# KiCad board A_BUS_Ctrl.kicad_pcb (continued)
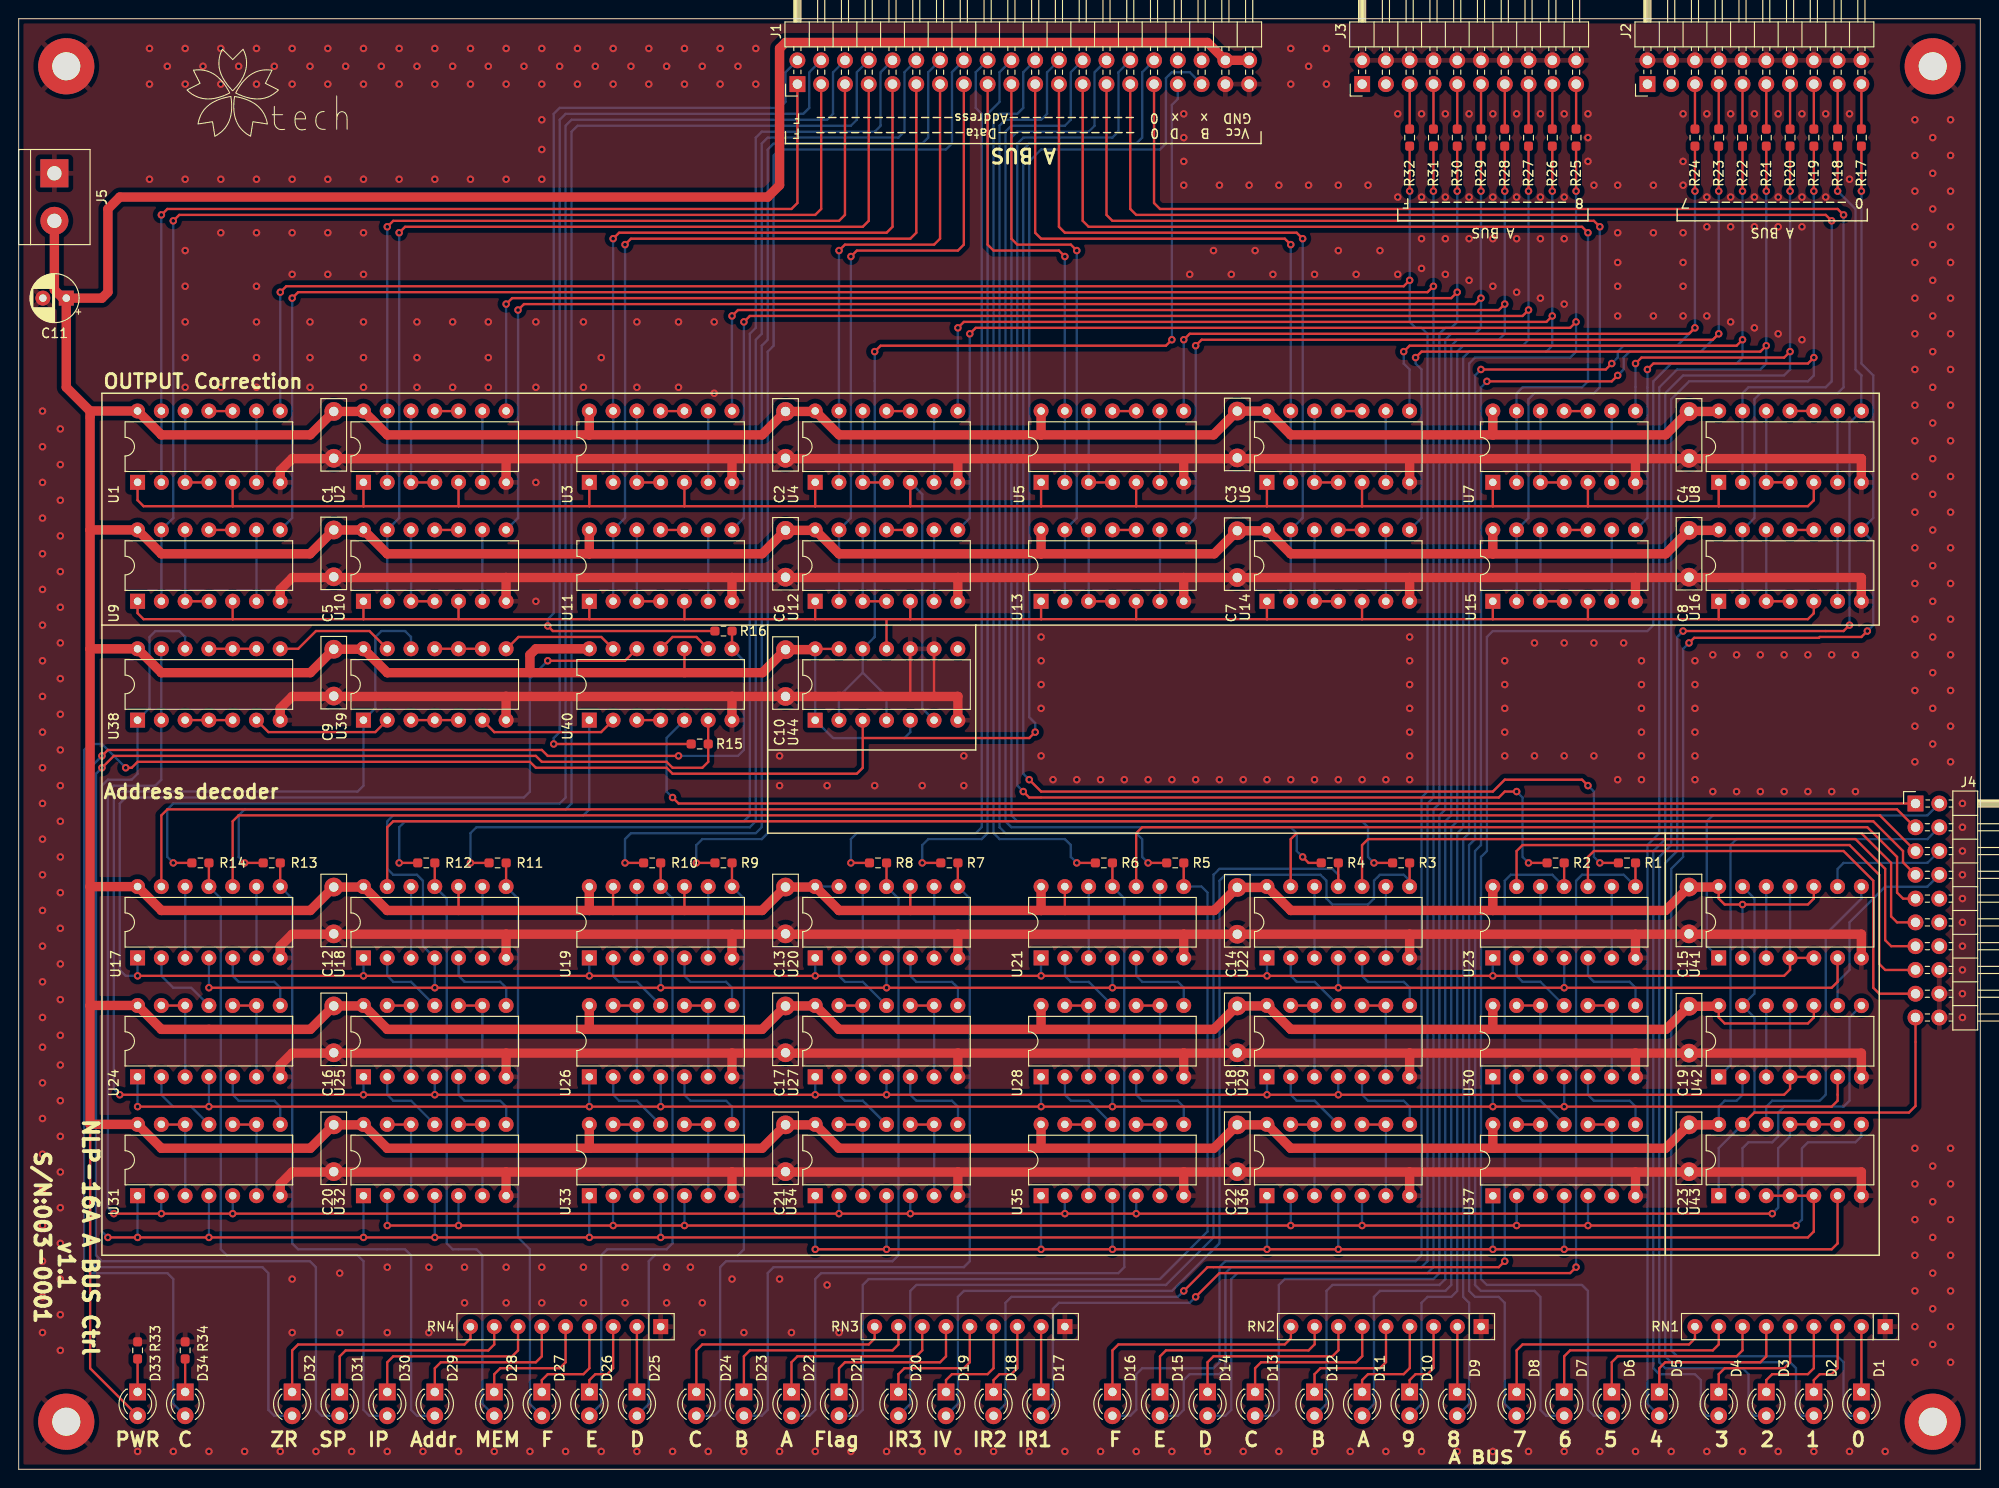
[diagram p0: board, top side]
## Nets (continued)
Net-(U27-Pad5): U27.5 U34.8
Net-(U27-Pad10): U27.6 U27.9 U27.10
Net-(U27-Pad12): U27.3 U27.12 U27.13
Net-(U28-Pad2): U28.2 U35.11
Net-(U28-Pad5): U28.5 U35.8
Net-(U28-Pad10): U28.6 U28.9 U28.10
Net-(U28-Pad12): U28.3 U28.12 U28.13
Net-(U29-Pad2): U29.2 U36.11
Net-(U29-Pad5): U29.5 U36.8
Net-(U29-Pad10): U29.6 U29.9 U29.10
Net-(U29-Pad12): U29.3 U29.12 U29.13
Net-(U30-Pad2): U30.2 U37.11
Net-(U30-Pad5): U30.5 U37.8
Net-(U30-Pad10): U30.6 U30.9 U30.10
Net-(U30-Pad12): U30.3 U30.12 U30.13
Net-(U31-Pad10): U31.6 U31.9 U31.10
Net-(U31-Pad12): U31.3 U31.12 U31.13
Net-(U32-Pad10): U32.6 U32.9 U32.10
Net-(U32-Pad12): U32.3 U32.12 U32.13
Net-(U33-Pad10): U33.6 U33.9 U33.10
Net-(U33-Pad12): U33.3 U33.12 U33.13
Net-(U34-Pad10): U34.6 U34.9 U34.10
Net-(U34-Pad12): U34.3 U34.12 U34.13
Net-(U35-Pad10): U35.6 U35.9 U35.10
Net-(U35-Pad12): U35.3 U35.12 U35.13
Net-(U36-Pad10): U36.6 U36.9 U36.10
Net-(U36-Pad12): U36.3 U36.12 U36.13
Net-(U37-Pad10): U37.6 U37.9 U37.10
Net-(U37-Pad12): U37.3 U37.12 U37.13
Net-(U38-Pad3): U38.3 U38.4 U38.5
Net-(U38-Pad6): U38.6 U39.2
Net-(U38-Pad8): U38.8 U39.13
Net-(U38-Pad10): U38.9 U38.10 U38.11
Net-(U39-Pad3): U39.3 U39.4 U39.5
Net-(U39-Pad6): U39.6 U40.2
Net-(U39-Pad8): U39.8 U40.13
Net-(U39-Pad10): U39.9 U39.10 U39.11
Net-(U40-Pad3): U40.3 U40.4
Net-(U40-Pad11): U40.9 U40.11
Net-(U41-Pad8): U41.8 U43.12
Net-(U41-Pad12): U41.3 U41.12
Net-(U42-Pad8): U42.8 U43.2
Net-(U42-Pad12): U42.3 U42.12

Pads without a net: J1 34 36; J2 1 3; J3 1 3; J4 10 12 14; U44 8

## Via types
v1: diameter 0.8, hole 0.4, Top to Bottom, 665 vias

## Routing (per net, layer and track width the routed paths; a pad name or vN(x,y) marks a point on that pad's centre or on a via; arc(x,y) is an arc through that point)
GND: length 1034.1
  Top w0.25: 95.25,82.55 95.24,82.55 U44.10 ; 97.79,82.55 97.79,82.55 U44.9
  Top w1: U11.7 76.2,95.25 76.2,95.25 ; U6.7 148.58,107.94 148.59,107.95 ; U25.7 52.07,41.93 52.07,44.45 ; 124.46,44.45 148.59,44.45 ; 124.46,44.45 124.45,44.44 U28.7 ; 124.46,44.45 100.33,44.45 ; 148.59,44.45 148.58,44.44 U29.7 ; 148.59,44.45 172.72,44.45 ; 76.2,82.55 100.33,82.55 100.33,82.55 U44.7 ; 76.2,82.55 52.07,82.55 ; 76.2,82.55 76.2,82.55 U40.7 ; U30.7 172.71,44.44 172.72,44.45 ; 100.33,107.95 100.33,107.94 U4.7 ; 100.33,107.95 76.2,107.95 ; 100.33,107.95 124.46,107.95 ; 52.07,107.95 29.21,107.95 27.94,106.67 U1.7 ; 52.07,107.95 76.2,107.95 ; 52.07,107.95 52.06,107.94 U2.7 ; U15.7 172.71,95.25 172.72,95.25 ; 172.72,57.15 172.71,57.15 U23.7 ; 172.72,57.15 196.85,57.15 196.85,57.15 U41.7 ; 172.72,57.15 148.59,57.15 ; 76.2,31.75 100.33,31.75 ; 76.2,31.75 76.2,31.75 U33.7 ; 76.2,31.75 52.07,31.75 ; 100.33,31.75 124.46,31.75 ; 100.33,31.75 100.33,31.75 U34.7 ; 124.46,31.75 148.59,31.75 ; 124.46,31.75 124.45,31.75 U35.7 ; 76.2,95.25 100.33,95.25 ; 76.2,95.25 52.07,95.25 ; 100.33,95.25 124.46,95.25 ; 100.33,95.25 100.33,95.25 U12.7 ; 52.07,95.25 29.21,95.25 27.94,93.97 U9.7 ; 52.07,95.25 52.06,95.25 U10.7 ; 172.72,44.45 196.85,44.45 U42.7 ; U43.7 196.85,31.75 196.85,31.75 172.72,31.75 ; U39.7 52.06,82.55 52.07,82.55 ; 52.07,57.15 76.2,57.15 ; 52.07,57.15 52.06,57.15 U18.7 ; 52.07,57.15 29.21,57.15 27.94,55.88 U17.7 ; 76.2,57.15 100.33,57.15 ; 76.2,57.15 76.2,57.15 U19.7 ; 172.72,31.75 U37.7 ; 172.72,31.75 148.59,31.75 ; 52.07,82.55 29.21,82.55 27.94,81.27 U38.7 ; 172.72,95.25 196.85,95.25 196.85,95.25 U16.7 ; 172.72,95.25 148.59,95.25 ; 124.46,107.95 124.45,107.94 U5.7 ; 124.46,107.95 148.59,107.95 ; 76.2,107.95 76.2,107.94 U3.7 ; 52.07,44.45 29.21,44.45 27.94,43.18 U24.7 ; 52.07,44.45 76.2,44.45 ; 148.59,31.75 148.58,31.75 U36.7 ; U14.7 148.58,95.25 148.59,95.25 ; 148.59,107.95 172.72,107.95 ; U20.7 100.33,57.15 100.33,57.15 ; U8.7 196.85,107.94 196.85,107.95 172.72,107.95 ; 100.33,57.15 124.46,57.15 ; 124.46,95.25 148.59,95.25 ; 124.46,95.25 124.45,95.25 U13.7 ; 124.46,57.15 124.45,57.15 U21.7 ; 124.46,57.15 148.59,57.15 ; 100.33,44.45 100.33,44.44 U27.7 ; 100.33,44.45 76.2,44.45 ; 172.72,107.95 172.71,107.94 U7.7 ; 52.07,31.75 29.21,31.75 27.94,30.47 U31.7 ; 52.07,31.75 52.06,31.75 U32.7 ; 76.2,44.45 76.2,44.44 U26.7 ; U22.7 148.58,57.15 148.59,57.15
  vias: v1(2.54,113.03) v1(2.54,109.22) v1(2.54,105.41) v1(2.54,101.6) v1(2.54,97.79) v1(2.54,93.98) v1(2.54,90.17) v1(2.54,86.36) v1(2.54,82.55) v1(2.54,78.74) v1(2.54,74.93) v1(2.54,71.12) v1(2.54,67.31) v1(2.54,63.5) v1(2.54,59.69) v1(2.54,55.88) v1(2.54,52.07) v1(2.54,48.26) v1(2.54,45.09) v1(2.54,41.28) v1(2.54,37.47) v1(2.54,33.66) v1(2.54,29.84) v1(2.54,26.03) v1(2.54,22.22) v1(2.54,18.41) v1(2.54,14.6) v1(4.45,111.12) v1(4.45,107.31) v1(4.45,103.5) v1(4.45,99.69) v1(4.45,95.88) v1(4.45,92.08) v1(4.45,88.27) v1(4.45,84.45) v1(4.45,80.64) v1(4.45,76.83) v1(4.45,73.02) v1(4.45,69.22) v1(4.45,65.41) v1(4.45,61.59) v1(4.45,57.78) v1(4.45,53.97) v1(4.45,50.16) v1(4.45,46.35) v1(4.45,43.18) v1(4.45,39.37) v1(4.45,35.56) v1(4.45,31.75) v1(4.45,27.94) v1(4.45,24.13) v1(4.45,20.32) v1(4.45,16.51) v1(4.45,12.7) v1(12.7,1.91) v1(13.97,151.76) v1(13.97,147.95) v1(13.97,137.79) v1(15.88,149.86) v1(16.51,1.91) v1(17.78,151.76) v1(17.78,147.95) v1(17.78,137.79) v1(17.78,130.18) v1(17.78,126.36) v1(17.78,122.55) v1(17.78,118.75) v1(17.78,115.57) v1(19.69,149.86) v1(20.32,1.91) v1(21.59,151.76) v1(21.59,147.95) v1(21.59,137.79) v1(21.59,132.08) v1(21.59,115.57) v1(23.49,149.86) v1(24.13,1.91) v1(25.4,151.76) v1(25.4,147.95) v1(25.4,137.79) v1(25.4,132.08) v1(25.4,126.36) v1(25.4,122.55) v1(25.4,118.75) v1(25.4,115.57) v1(27.31,149.86) v1(27.94,1.91) v1(29.21,151.76) v1(29.21,147.95) v1(29.21,137.79) v1(29.21,132.08) v1(29.21,127.63) v1(29.21,20.31) v1(29.21,14.6) v1(31.11,149.86) v1(31.11,122.55) v1(31.11,118.75) v1(31.11,115.57) v1(31.75,1.91) v1(33.02,151.76) v1(33.02,147.95) v1(33.02,137.79) v1(33.02,132.08) v1(33.02,127.63) v1(34.29,20.95) v1(34.29,14.6) v1(34.92,149.86) v1(35.56,1.91) v1(36.83,151.76) v1(36.83,147.95) v1(36.83,137.79) v1(36.83,132.08) v1(36.83,127.63) v1(36.83,122.55) v1(36.83,118.75) v1(36.83,115.57) v1(38.73,149.86) v1(39.37,21.59) v1(39.37,14.6) v1(39.37,1.91) v1(40.64,151.76) v1(40.64,147.95) v1(40.64,137.79) v1(42.55,149.86) v1(42.55,122.55) v1(42.55,118.75) v1(42.55,115.57) v1(43.18,1.91) v1(43.81,21.59) v1(43.81,14.6) v1(44.45,151.76) v1(44.45,147.95) v1(44.45,137.79) v1(46.36,149.86) v1(46.36,122.55) v1(46.36,115.57) v1(46.99,1.91) v1(47.62,21.59) v1(47.62,17.78) v1(48.26,151.76) v1(48.26,147.95) v1(48.26,137.79) v1(50.17,149.86) v1(50.17,122.55) v1(50.17,118.75) v1(50.17,115.57) v1(50.8,1.91) v1(52.07,151.76) v1(52.07,147.95) v1(52.07,137.79) v1(52.07,21.59) v1(52.07,17.78) v1(53.97,149.86) v1(54.61,1.91) v1(55.25,122.55) v1(55.25,115.57) v1(55.25,105.41) v1(55.25,92.71) v1(55.88,151.76) v1(55.88,147.95) v1(55.88,144.14) v1(55.88,140.97) v1(55.88,137.79) v1(55.88,21.59) v1(55.88,17.78) v1(57.78,149.86) v1(58.42,1.91) v1(59.69,151.76) v1(59.69,147.95) v1(60.33,122.55) v1(60.33,115.57) v1(60.33,21.59) v1(60.33,17.78) v1(61.59,149.86) v1(62.23,118.75) v1(62.23,1.91) v1(63.5,151.76) v1(63.5,147.95) v1(64.77,21.59) v1(64.77,17.78) v1(65.41,149.86) v1(66.04,122.55) v1(66.04,115.57) v1(66.04,1.91) v1(67.31,151.76) v1(67.31,147.95) v1(69.22,149.86) v1(69.22,21.59) v1(69.22,17.78) v1(69.85,1.91) v1(70.48,122.55) v1(70.48,115.57) v1(71.12,151.76) v1(71.12,147.95) v1(71.75,21.59) v1(73.03,149.86) v1(73.03,17.78) v1(73.03,14.6) v1(73.66,1.91) v1(74.3,122.55) v1(74.3,114.94) v1(74.93,151.76) v1(74.93,147.95) v1(76.2,20.32) v1(76.83,149.86) v1(77.47,14.6) v1(77.47,1.91) v1(78.74,151.76) v1(78.74,147.95) v1(81.28,76.2) v1(81.28,73.02) v1(81.28,20.32) v1(81.28,1.91) v1(82.55,14.6) v1(85.09,1.91) v1(86.36,73.02) v1(86.36,19.69) v1(87.63,14.6) v1(88.9,1.91) v1(91.44,73.02) v1(92.71,1.91) v1(96.52,73.02) v1(96.52,1.91) v1(100.33,1.91) v1(100.96,76.2) v1(100.96,73.02) v1(104.14,1.91) v1(107.95,1.91) v1(109.22,88.9) v1(109.22,86.36) v1(109.22,83.82) v1(109.22,81.28) v1(109.22,76.2) v1(110.49,73.66) v1(111.76,1.91) v1(113.03,73.66) v1(115.57,73.66) v1(115.57,1.91) v1(118.11,73.66) v1(119.38,1.91) v1(120.65,73.66) v1(123.19,73.66) v1(123.19,1.91) v1(124.46,144.78) v1(124.46,142.24) v1(124.46,139.7) v1(124.46,137.16) v1(125.1,127.63) v1(125.73,73.66) v1(127,1.91) v1(127.64,130.18) v1(128.27,137.16) v1(128.27,73.66) v1(129.54,127.63) v1(130.81,73.66) v1(130.81,1.91) v1(131.44,137.16) v1(132.08,130.18) v1(133.35,73.66) v1(133.99,127.63) v1(134.62,137.16) v1(134.62,1.91) v1(135.89,151.76) v1(135.89,147.95) v1(135.89,73.66) v1(137.8,149.86) v1(137.8,137.16) v1(138.43,127.63) v1(138.43,73.66) v1(138.43,1.91) v1(139.7,151.76) v1(139.7,147.95) v1(140.97,137.16) v1(140.97,130.18) v1(140.97,73.66) v1(142.24,1.91) v1(142.88,127.63) v1(143.51,73.66) v1(144.14,137.16) v1(145.42,130.18) v1(146.05,73.66) v1(146.05,1.91) v1(147.32,144.78) v1(147.32,135.89) v1(147.32,127.63) v1(148.59,88.9) v1(148.59,86.36) v1(148.59,83.82) v1(148.59,81.28) v1(148.59,78.74) v1(148.59,76.2) v1(148.59,73.66) v1(149.86,144.78) v1(149.86,135.89) v1(149.86,131.44) v1(149.86,128.27) v1(149.86,1.91) v1(152.4,144.78) v1(152.4,135.89) v1(152.4,131.44) v1(152.4,127.63) v1(153.67,1.91) v1(154.94,144.78) v1(154.94,135.89) v1(154.94,131.44) v1(154.94,127) v1(157.48,144.78) v1(157.48,135.89) v1(157.48,131.44) v1(157.48,126.36) v1(157.48,1.91) v1(158.75,86.36) v1(158.75,83.82) v1(158.75,81.28) v1(158.75,78.74) v1(158.75,76.2) v1(160.02,144.78) v1(160.02,135.89) v1(160.02,131.44) v1(160.02,125.73) v1(161.29,1.91) v1(161.93,88.27) v1(161.93,76.2) v1(162.56,144.78) v1(162.56,135.89) v1(162.56,131.44) v1(162.56,125.09) v1(165.1,144.78) v1(165.1,135.89) v1(165.1,131.44) v1(165.1,124.46) v1(165.1,88.27) v1(165.1,76.2) v1(165.1,1.91) v1(167.64,144.78) v1(167.64,142.24) v1(167.64,139.7) v1(168.27,137.16) v1(168.27,88.27) v1(168.27,76.2) v1(168.91,1.91) v1(170.81,137.16) v1(170.81,132.08) v1(170.81,128.91) v1(170.81,126.36) v1(170.81,123.19) v1(170.81,73.66) v1(171.45,88.27) v1(172.72,1.91) v1(173.36,86.36) v1(173.36,83.82) v1(173.36,81.28) v1(173.36,78.74) v1(173.36,76.2) v1(173.36,73.66) v1(174.62,137.16) v1(174.62,132.08) v1(174.62,123.19) v1(176.53,1.91) v1(177.8,144.78) v1(177.8,139.7) v1(177.8,137.16) v1(177.8,132.08) v1(177.8,128.91) v1(177.8,126.36) v1(177.8,123.19) v1(179.07,86.36) v1(179.07,83.82) v1(179.07,81.28) v1(179.07,78.74) v1(179.07,76.2) v1(179.07,73.66) v1(180.34,144.78) v1(180.34,135.89) v1(180.34,132.72) v1(180.34,123.19) v1(180.34,1.91) v1(180.98,87) v1(180.98,72.39) v1(182.88,144.78) v1(182.88,135.89) v1(182.88,132.72) v1(182.88,122.55) v1(183.51,87) v1(183.51,72.39) v1(184.15,1.91) v1(185.42,144.78) v1(185.42,135.89) v1(185.42,132.72) v1(185.42,121.92) v1(186.06,87) v1(186.06,72.39) v1(187.96,144.78) v1(187.96,135.89) v1(187.96,132.72) v1(187.96,121.28) v1(187.96,1.91) v1(188.6,87) v1(188.6,72.39) v1(190.5,144.78) v1(190.5,135.89) v1(190.5,132.72) v1(190.5,120.65) v1(191.13,87) v1(191.13,72.39) v1(191.77,1.91) v1(193.04,144.78) v1(193.04,135.89) v1(193.68,87) v1(193.68,72.39) v1(195.58,144.78) v1(195.58,137.79) v1(195.58,1.91) v1(196.21,87) v1(196.21,72.39) v1(199.39,1.91) v1(202.56,144.14) v1(202.56,140.34) v1(202.56,136.53) v1(202.56,132.72) v1(202.56,128.91) v1(202.56,125.09) v1(202.56,121.28) v1(202.56,117.47) v1(202.56,113.66) v1(202.56,109.86) v1(202.56,106.05) v1(202.56,102.23) v1(202.56,98.42) v1(202.56,94.61) v1(202.56,90.8) v1(202.56,87) v1(202.56,83.19) v1(202.56,79.38) v1(202.56,75.56) v1(202.56,34.29) v1(202.56,30.48) v1(202.56,26.67) v1(202.56,22.86) v1(202.56,19.05) v1(202.56,15.24) v1(202.56,11.43) v1(204.47,142.24) v1(204.47,138.43) v1(204.47,134.62) v1(204.47,130.81) v1(204.47,127) v1(204.47,123.19) v1(204.47,119.38) v1(204.47,115.57) v1(204.47,111.76) v1(204.47,107.95) v1(204.47,104.14) v1(204.47,100.33) v1(204.47,96.52) v1(204.47,92.71) v1(204.47,88.9) v1(204.47,85.09) v1(204.47,81.28) v1(204.47,77.47) v1(204.47,32.38) v1(204.47,28.57) v1(204.47,24.76) v1(204.47,20.95) v1(204.47,17.15) v1(204.47,13.34) v1(206.38,144.14) v1(206.38,140.34) v1(206.38,136.53) v1(206.38,132.72) v1(206.38,128.91) v1(206.38,125.09) v1(206.38,121.28) v1(206.38,117.47) v1(206.38,113.66) v1(206.38,109.86) v1(206.38,106.05) v1(206.38,102.23) v1(206.38,98.42) v1(206.38,94.61) v1(206.38,90.8) v1(206.38,87) v1(206.38,83.19) v1(206.38,79.38) v1(206.38,75.56) v1(206.38,34.29) v1(206.38,30.48) v1(206.38,26.67) v1(206.38,22.86) v1(206.38,19.05) v1(206.38,15.24) v1(206.38,11.43) v1(207.64,71.12) v1(207.64,68.58) v1(207.64,66.04) v1(207.64,63.5) v1(207.64,60.96) v1(207.64,58.42) v1(207.64,55.88) v1(207.64,53.34) v1(207.64,50.8) v1(207.64,48.26)
VCC: length 1404.1
  Top w0.25: U19.10 71.11,59.69 71.12,59.69 ; U40.10 71.11,85.09 71.12,85.09 ; U19.13 63.5,59.69 63.5,59.69 ; 7.63,36.84 7.63,10.78 12.7,5.72 D33.2 ; U41.14 181.61,60.97 182.25,60.33 v1(184.15,60.33) 191.13,60.33 191.76,60.95 U41.10 ; U18.10 46.98,59.69 46.99,59.69 ; U21.13 111.76,59.69 111.76,59.69 ; U42.14 181.61,48.26 182.25,47.62 191.13,47.62 191.77,48.26 U42.10 ; 95.25,59.69 95.24,59.69 U20.10 ; U44.13 U44.14
  Top w1: 157.48,34.29 135.89,34.29 135.89,34.29 U36.14 133.3,36.79 C22.2 127.67,34.29 109.22,34.29 ; 157.48,34.29 175.94,34.29 C23.2 181.56,36.79 U43.14 ; 157.48,34.29 U37.14 ; 60.96,59.69 60.95,59.69 U19.14 ; 60.96,59.69 39.37,59.69 39.37,59.69 U18.14 36.78,62.19 C12.2 31.16,59.69 15.24,59.69 15.24,59.69 U17.14 7.63,62.24 7.62,62.23 ; 60.96,59.69 79.42,59.69 C13.2 85.03,62.19 U20.14 87.63,59.69 87.63,59.69 109.22,59.69 ; U5.14 109.21,110.5 109.22,110.49 ; 7.62,62.23 7.62,49.53 ; 7.62,62.23 7.62,87.63 ; 157.48,59.69 157.48,59.69 U23.14 ; 157.48,59.69 175.94,59.69 C15.2 181.56,62.19 U41.14 ; 157.48,59.69 135.89,59.69 135.89,59.69 U22.14 133.25,62.15 C14.2 127.71,59.69 109.22,59.69 ; 7.62,87.63 7.63,87.64 U38.14 15.24,85.09 15.24,85.09 31.16,85.09 C9.2 36.78,87.59 U39.14 39.37,85.09 39.37,85.09 54.61,85.09 ; 7.62,87.63 7.62,100.33 ; 60.96,46.99 79.42,46.99 C17.2 85.03,49.49 U27.14 87.63,47 87.63,46.99 109.22,46.99 ; 60.96,46.99 60.95,47 U26.14 ; 60.96,46.99 39.37,46.99 39.37,47 U25.14 36.78,49.49 C16.2 31.16,46.99 15.24,46.99 15.24,47 U24.14 7.63,49.54 7.62,49.53 ; 60.96,97.79 60.95,97.8 U11.14 ; 60.96,97.79 79.42,97.79 C6.2 85.03,100.29 U12.14 87.63,97.8 87.63,97.79 109.22,97.79 ; 60.96,97.79 39.37,97.79 39.37,97.8 U10.14 36.81,100.33 C5.2 31.11,97.79 15.24,97.79 15.24,97.8 U9.14 7.63,100.34 7.62,100.33 ; J1.40 J1.38 127,152.4 81.92,152.4 81.28,151.76 81.28,137.16 80.01,135.89 10.8,135.89 9.52,134.62 9.52,125.73 8.89,125.09 C11.1 ; U16.14 181.56,100.29 C8.2 175.94,97.79 157.48,97.79 ; 157.48,46.99 157.48,47 U30.14 ; 157.48,46.99 135.89,46.99 135.89,47 U29.14 133.3,49.49 C18.2 127.67,46.99 109.22,46.99 ; 157.48,46.99 175.98,46.99 C19.2 181.53,49.45 U42.14 ; U40.14 55.25,87.64 54.61,87 54.61,85.09 ; 109.22,59.69 109.21,59.69 U21.14 ; U7.14 157.48,110.5 157.48,110.49 ; C11.1 5.08,115.57 7.62,113.03 ; C11.1 4.7,125.09 3.81,125.99 J5.2 ; 60.96,110.49 39.37,110.49 39.37,110.5 U2.14 36.78,112.99 C1.2 31.16,110.49 15.24,110.49 15.24,110.5 U1.14 7.63,113.04 7.62,113.03 ; 60.96,110.49 60.95,110.5 U3.14 ; 60.96,110.49 79.42,110.49 C2.2 85.03,112.99 U4.14 87.64,110.49 109.22,110.49 ; 7.62,113.03 7.62,100.33 ; U13.14 109.21,97.8 109.22,97.79 ; 7.62,49.53 7.62,36.83 7.63,36.84 U31.14 15.24,34.29 15.24,34.29 31.16,34.29 C20.2 36.78,36.79 U32.14 39.37,34.29 39.37,34.29 60.96,34.29 ; 109.22,34.29 109.21,34.29 U35.14 ; 109.22,34.29 87.63,34.29 87.63,34.29 U34.14 85.03,36.79 C21.2 79.42,34.29 60.96,34.29 ; 60.96,34.29 60.95,34.29 U33.14 ; 157.48,110.49 135.89,110.49 135.89,110.5 U6.14 133.33,113.03 C3.2 127.64,110.49 109.22,110.49 ; 157.48,110.49 175.94,110.49 C4.2 181.56,112.99 U8.14 ; 54.61,85.09 79.45,85.09 C10.2 85,87.55 U44.14 ; 157.48,97.79 157.48,97.8 U15.14 ; 157.48,97.79 135.89,97.79 135.89,97.8 U14.14 133.25,100.25 C7.2 127.71,97.79 109.22,97.79 ; 109.22,46.99 109.21,47 U28.14
  Bottom w0.25: U43.14 181.61,38.73 182.25,39.37 183.51,39.37 184.15,40 U42.2 ; U20.13 U20.14 ; U41.2 184.14,60.32 v1(184.15,60.33) ; U44.5 95.24,78.75 95.25,78.74 94.61,78.11 87,78.11 86.36,78.74 86.36,78.74 U44.1 U44.14
/address_decoder/decoder0/A: length 160.4
  Top w0.25: v1(85.09,23.5) v1(92.71,23.5) v1(109.22,23.5) v1(116.84,23.5) v1(133.35,23.5) v1(140.97,23.5) v1(157.48,23.5) v1(165.1,23.5) 193.68,23.5 194.31,24.13 194.31,24.13 U43.6
  Bottom w0.25: v1(109.22,23.5) 109.21,23.5 U35.1 ; v1(116.84,23.5) 116.83,23.5 U35.4 ; U34.4 92.7,23.5 v1(92.71,23.5) ; v1(85.09,23.5) 85.08,23.5 U34.1 ; U36.1 133.35,23.5 v1(133.35,23.5) ; U36.4 140.96,23.5 v1(140.97,23.5) ; U37.1 v1(157.48,23.5) ; U37.4 v1(165.1,23.5)
/address_decoder/decoder0/B: length 192.6
  Top w0.25: v1(189.87,26.03) v1(167.64,26.03) v1(160.02,26.03) v1(143.51,26.03) v1(135.89,26.03) v1(71.12,26.03) v1(63.5,26.03) v1(46.99,26.03) v1(39.37,26.03)
  Bottom w0.25: U32.5 46.98,26.04 v1(46.99,26.03) ; v1(189.87,26.03) 190.5,26.67 190.5,34.29 191.13,34.93 196.21,34.93 196.85,35.56 196.85,35.56 U43.8 ; v1(143.51,26.03) 143.5,26.04 U36.5 ; U36.2 135.88,26.04 v1(135.89,26.03) ; U32.2 39.36,26.04 v1(39.37,26.03) ; v1(71.12,26.03) 71.11,26.04 U33.5 ; U33.2 63.5,26.04 v1(63.5,26.03) ; U37.2 v1(160.02,26.03) ; U37.5 v1(167.64,26.03)
/address_decoder/decoder0/C: length 209.9
  Top w0.25: U42.6 194.31,39.37 193.68,38.73 v1(165.1,38.73) v1(116.84,38.73) v1(109.22,38.73) v1(68.58,38.73) v1(60.96,38.73) v1(20.32,38.73) v1(12.7,38.73)
  Bottom w0.25: U28.4 116.83,38.74 v1(116.84,38.73) ; v1(68.58,38.73) 68.58,38.74 U26.4 ; v1(20.32,38.73) 20.31,38.74 U24.4 ; U30.4 165.1,38.74 v1(165.1,38.73) ; U24.1 12.7,38.74 v1(12.7,38.73) ; v1(109.22,38.73) 109.21,38.74 U28.1 ; U30.1 157.48,38.74 v1(157.48,38.73) ; v1(60.96,38.73) 60.95,38.74 U26.1
/address_decoder/decoder0/D: length 249
  Top w0.25: v1(20.32,51.44) v1(44.45,51.44) v1(68.58,51.44) v1(116.84,51.44) v1(140.97,51.44) v1(165.1,51.44) 193.68,51.44 194.31,52.07 194.31,52.07 U41.6
  Bottom w0.25: U40.1 60.95,70.49 60.96,70.48 60.33,69.85 40,69.85 39.37,69.22 39.37,64.13 40,63.5 42.55,63.5 43.18,62.86 43.18,55.88 43.19,55.88 U18.4 44.45,51.44 v1(44.45,51.44) ; U21.4 116.83,51.44 v1(116.84,51.44) ; U19.4 68.58,51.44 v1(68.58,51.44) ; v1(20.32,51.44) 20.31,51.44 U17.4 ; v1(140.97,51.44) 140.96,51.44 U22.4 ; v1(92.71,51.44) 92.7,51.44 U20.4 ; U23.4 165.1,51.44 v1(165.1,51.44)
/address_decoder/decoder1/D: length 290.8
  Top w0.25: v1(56.52,86.36) 64.75,86.36 U40.12 ; v1(12.7,52.7) v1(60.96,52.7) v1(85.09,52.7) v1(109.22,52.7) v1(133.35,52.7) v1(157.48,52.7) 188.6,52.7 189.23,53.34 189.23,53.34 U41.4 U41.5
  Bottom w0.25: U21.1 109.21,52.71 v1(109.22,52.7) ; U23.1 157.48,52.71 v1(157.48,52.7) ; U20.1 85.08,52.71 v1(85.09,52.7) ; U18.1 36.83,52.71 v1(36.83,52.7) ; U17.1 12.7,52.71 v1(12.7,52.7) 11.43,52.7 10.8,53.34 10.8,71.12 11.43,71.75 53.97,71.75 54.61,72.39 54.61,84.45 v1(56.52,86.36) ; v1(133.35,52.7) 133.35,52.71 U22.1 ; v1(60.96,52.7) 60.95,52.71 U19.1 ; U41.4 U41.11
/address_decoder/decoder10/A: length 291.7
  Top w0.25: v1(9.52,24.76) v1(12.7,24.76) v1(20.32,24.76) v1(36.83,24.76) v1(44.45,24.76) v1(60.96,24.76) v1(68.58,24.76) 191.13,24.76 191.77,25.4 191.76,25.41 U43.5 U43.3
  Bottom w0.25: U32.4 44.45,24.77 v1(44.45,24.76) ; v1(20.32,24.76) 20.31,24.77 U31.4 ; v1(9.52,24.76) 8.89,25.4 8.89,73.02 9.52,73.66 12.06,73.66 12.7,74.29 U38.1 13.97,81.3 13.97,88.9 14.61,89.53 17.15,89.53 17.78,88.9 17.77,88.89 U38.12 ; v1(36.83,24.76) 36.83,24.77 U32.1 ; v1(12.7,24.76) 12.7,24.77 U31.1 ; v1(60.96,24.76) 60.95,24.77 U33.1 ; v1(68.58,24.76) 68.58,24.77 U33.4
/address_decoder/decoder10/C: length 282.8
  Top w0.25: v1(10.8,40) v1(36.83,40) v1(44.45,40) v1(85.09,40) v1(92.71,40) v1(133.35,40) v1(140.97,40) 188.6,40 189.23,40.64 U42.4 U42.5
  Bottom w0.25: U29.4 140.96,40.01 v1(140.97,40) ; U25.1 36.83,41.91 v1(36.83,40) ; v1(10.8,40) 10.16,40.64 10.16,71.75 10.8,72.39 36.2,72.39 36.83,73.02 U39.1 38.1,81.3 38.1,88.9 38.73,89.53 41.28,89.53 41.91,88.9 41.91,88.89 U39.12 ; v1(92.71,40) 92.7,40.01 U27.4 ; U29.1 133.35,40.01 v1(133.35,40) ; v1(85.09,40) 85.08,40.01 U27.1 ; v1(44.45,40) 44.45,40.01 U25.4 ; U42.11 U42.4
/address_decoder/decoder12/B: length 269.6
  Top w0.25: v1(187.32,27.31) v1(119.38,27.31) v1(111.76,27.31) v1(95.25,27.31) v1(87.63,27.31) v1(22.86,27.31) v1(15.24,27.31) v1(10.16,27.31) ; U43.11 U43.9
  Bottom w0.25: U34.2 87.62,27.31 v1(87.63,27.31) ; U34.5 95.24,27.31 v1(95.25,27.31) ; U43.11 189.23,35.56 187.96,34.29 187.96,27.94 v1(187.32,27.31) ; U35.2 111.76,27.31 v1(111.76,27.31) ; v1(119.38,27.31) 119.38,27.31 U35.5 ; U38.13 U38.2 15.23,73.66 14.61,73.02 10.16,73.02 9.52,72.39 9.52,27.94 v1(10.16,27.31) ; U31.5 22.86,27.31 v1(22.86,27.31) ; U31.2 15.23,27.31 v1(15.24,27.31)
/BUS_OUTPUT_Correction/Correction0/Correction: length 212.2
  Top w0.25: 92.71,90.8 95.25,90.8 ; 92.71,90.8 85.09,90.8 ; 92.71,90.8 92.7,90.8 U44.11 ; 95.25,90.8 95.24,90.81 U12.5 ; 95.25,90.8 109.22,90.8 ; U10.1 36.83,90.81 36.83,90.8 ; U15.1 157.48,90.81 157.48,90.8 ; 143.51,90.8 143.5,90.81 U14.5 ; 143.51,90.8 133.35,90.8 ; 143.51,90.8 157.48,90.8 ; U15.5 167.63,90.81 167.64,90.8 ; 119.38,90.8 119.38,90.81 U13.5 ; 119.38,90.8 133.35,90.8 ; 119.38,90.8 109.22,90.8 ; 71.12,90.8 71.11,90.81 U11.5 ; 71.12,90.8 36.83,90.8 ; 71.12,90.8 85.09,90.8 ; 60.96,90.8 60.95,90.81 U11.1 ; U16.1 181.61,90.81 181.61,90.8 ; U14.1 133.35,90.81 133.35,90.8 ; 181.61,90.8 167.64,90.8 ; 181.61,90.8 191.13,90.8 191.77,91.44 191.76,91.44 U16.5 ; 167.64,90.8 157.48,90.8 ; 109.22,90.8 109.21,90.81 U13.1 ; 85.09,90.8 85.08,90.81 U12.1 ; 36.83,90.8 22.86,90.8 ; U9.5 22.86,90.81 22.86,90.8 ; U10.5 46.98,90.81 ; 22.86,90.8 13.34,90.8 12.7,91.44 U9.1
/BUS_OUTPUT_Correction/Correction1/Correction: length 245.6
  Top w0.25: 36.83,102.87 22.86,102.87 ; 36.83,102.87 36.83,102.88 U2.1 ; 36.83,102.87 46.99,102.87 ; 22.86,102.87 13.34,102.87 12.7,103.51 U1.1 ; 22.86,102.87 22.86,102.88 U1.5 ; 60.96,102.87 60.95,102.88 U3.1 ; 60.96,102.87 46.99,102.87 ; 60.96,102.87 71.12,102.87 ; 109.22,102.87 109.21,102.88 U5.1 ; 109.22,102.87 95.25,102.87 ; 109.22,102.87 119.38,102.87 ; U2.5 46.98,102.88 46.99,102.87 ; U8.5 191.76,103.51 191.77,103.5 191.13,102.87 181.61,102.87 ; U4.1 85.08,102.88 85.09,102.87 ; 71.12,102.87 71.11,102.88 U3.5 ; 71.12,102.87 85.09,102.87 ; 133.35,102.87 133.35,102.88 U6.1 ; 133.35,102.87 143.51,102.87 ; 133.35,102.87 119.38,102.87 ; 143.51,102.87 157.48,102.87 ; 143.51,102.87 143.5,102.88 U6.5 ; U5.5 119.38,102.88 119.38,102.87 ; 95.25,102.87 95.24,102.88 U4.5 ; 95.25,102.87 85.09,102.87 ; 167.64,102.87 157.48,102.87 ; 167.64,102.87 167.63,102.88 U7.5 ; 167.64,102.87 181.61,102.87 ; 157.48,102.87 157.48,102.88 U7.1 ; 181.61,102.87 181.61,102.88 U8.1
  Bottom w0.25: U44.6 96.52,81.27 96.52,104.14 U4.5
BUS_Correction: length 277.9
  Top w0.25: U44.3 90.17,74.92 89.54,74.3 69.85,74.3 69.21,74.93 55.25,74.93 54.61,75.56 12.7,75.56 12.06,74.93 v1(11.43,74.93) ; 90.17,78.11 107.95,78.11 v1(108.58,78.74)
  Bottom w0.25: D34.2 16.52,6.98 16.51,6.98 16.51,20.32 15.88,20.95 7.62,20.95 6.98,21.59 6.98,76.83 7.62,77.47 8.89,77.47 v1(11.43,74.93) ; J1.35 125.1,149.22 123.19,149.22 122.55,148.59 122.55,141.6 121.92,140.97 109.22,140.97 107.95,139.7 107.95,80.33 108.58,79.69 v1(108.58,78.74)
DATA0: length 175.8
  Top w0.25: v1(197.49,89.53) 196.85,88.9 192.4,88.9 192.31,88.81 178.98,88.81 v1(178.44,88.27) ; R17.2 v1(196.85,136.53)
  Bottom w0.25: v1(178.44,88.27) 177.8,87.63 177.8,65.41 176.53,64.13 176.53,12.7 177.17,12.06 194.31,12.06 194.94,11.43 194.94,6.35 195.58,5.72 196.85,5.72 D1.2 ; v1(196.85,136.53) 196.85,118.11 198.12,116.84 198.12,101.61 U16.8 198.12,99.06 198.12,90.17 v1(197.49,89.53)
DATA1: length 170.1
  Top w0.25: R18.2 v1(194.31,136.53) ; v1(177.8,89.53) 194.94,89.53 v1(195.58,90.17)
  Bottom w0.25: v1(194.31,136.53) 196.21,134.62 196.21,117.47 196.85,116.84 196.85,116.83 U8.8 195.58,111.77 v1(195.58,90.17) ; D2.2 191.76,5.72 190.5,5.72 189.87,6.35 189.87,10.79 189.23,11.43 176.53,11.43 175.89,12.06 175.89,64.77 177.17,66.04 177.17,88.9 v1(177.8,89.53)
DATA2: length 196.2
  Top w0.25: v1(173.99,117.47) 174.62,118.11 191.13,118.11 v1(191.77,118.75) ; R19.2 v1(191.77,136.53)
  Bottom w0.25: U15.8 173.99,101.61 v1(173.99,117.47) ; v1(191.77,136.53) v1(191.77,118.75) 191.77,116.84 191.13,116.2 178.44,116.2 176.53,114.3 176.53,66.67 175.26,65.41 175.26,11.43 175.89,10.79 184.15,10.79 184.79,10.16 184.79,6.35 185.42,5.72 186.69,5.72 D3.2
DATA3: length 176
  Top w0.25: R20.2 v1(189.23,136.53) ; v1(172.72,118.11) 173.36,118.75 188.6,118.75 v1(189.23,119.38)
  Bottom w0.25: v1(172.72,118.11) 172.72,115.57 172.71,115.56 U7.8 ; v1(189.23,136.53) v1(189.23,119.38) 189.23,117.47 188.6,116.84 177.8,116.84 175.89,114.94 175.89,67.31 174.62,66.04 174.62,10.79 175.26,10.16 179.07,10.16 179.7,9.53 179.7,6.35 180.34,5.72 181.61,5.72 D4.2
DATA4: length 203.8
  Top w0.25: R21.2 v1(186.69,136.53) ; v1(149.23,118.75) 149.86,119.38 186.06,119.38 v1(186.69,120.02)
  Bottom w0.25: v1(149.23,118.75) 149.23,118.11 149.86,117.47 149.86,101.6 149.85,101.6 U14.8 ; v1(186.69,136.53) v1(186.69,120.02) 186.69,118.11 186.06,117.47 177.17,117.47 175.26,115.57 175.26,67.94 173.99,66.67 173.99,6.98 D5.2
DATA5: length 217.1
  Top w0.25: R22.2 v1(184.15,136.53) ; v1(184.15,120.65) 183.51,120.02 148.59,120.02 v1(147.95,119.38)
  Bottom w0.25: U6.8 148.58,117.48 147.95,118.11 v1(147.95,119.38) ; D6.2 168.28,5.72 168.27,5.72 167.64,6.35 167.64,19.05 167,19.69 156.85,19.69 156.21,20.32 156.21,65.41 156.85,66.04 156.85,88.9 157.48,89.53 173.99,89.53 174.62,90.17 174.62,116.2 176.53,118.11 183.51,118.11 184.15,118.75 v1(184.15,120.65) v1(184.15,136.53)
DATA6: length 243.7
  Top w0.25: v1(170.81,116.84) 170.18,116.2 v1(156.85,116.2) ; v1(125.73,120.02) 126.36,120.65 180.98,120.65 v1(181.61,121.28) ; R23.2 v1(181.61,136.53)
  Bottom w0.25: U13.8 125.71,101.6 125.73,101.6 v1(125.73,120.02) ; v1(181.61,136.53) v1(181.61,121.28) 179.7,119.38 172.08,119.38 171.45,118.75 171.45,117.47 v1(170.81,116.84) ; D7.2 163.2,5.72 163.19,5.72 162.56,6.35 162.56,18.41 161.93,19.05 156.21,19.05 155.57,19.69 155.57,66.04 156.21,66.67 156.21,115.57 v1(156.85,116.2)
DATA7: length 223.1
  Top w0.25: v1(124.46,120.65) 125.1,121.28 178.44,121.28 v1(179.07,121.92) ; R24.2 v1(179.07,136.53) ; v1(170.18,118.11) 169.55,117.47 v1(156.21,117.47)
  Bottom w0.25: v1(156.21,117.47) 155.57,116.84 155.57,67.31 154.94,66.67 154.94,19.05 155.57,18.41 158.12,18.41 158.75,17.78 158.75,6.98 160.01,5.72 D8.2 ; v1(170.18,118.11) 170.81,118.75 170.81,119.38 171.45,120.02 177.17,120.02 v1(179.07,121.92) v1(179.07,136.53) ; v1(124.46,120.65) 124.45,120.64 U5.8
DATA8: length 234.1
  Top w0.25: v1(101.6,121.28) 102.23,121.92 165.74,121.92 v1(166.37,122.55) ; R25.2 v1(166.37,136.53)
  Bottom w0.25: v1(101.6,121.28) 101.6,101.6 101.58,101.6 U12.8 ; 154.94,6.98 154.94,6.98 ; 154.94,6.98 154.94,6.99 154.94,17.78 154.31,18.41 154.31,67.31 154.94,67.94 154.94,118.11 155.57,118.75 165.74,118.75 166.37,119.38 v1(166.37,122.55) v1(166.37,136.53) ; 154.94,6.98 D9.2
DATA9: length 221.2
  Top w0.25: v1(163.83,123.19) 163.19,122.55 100.96,122.55 v1(100.33,121.92) ; R26.2 v1(163.83,136.53)
  Bottom w0.25: v1(163.83,136.53) v1(163.83,123.19) 163.83,120.02 163.19,119.38 154.94,119.38 154.31,118.75 154.31,68.58 153.67,67.94 153.67,19.05 153.04,18.41 150.5,18.41 149.86,17.78 149.86,6.98 D10.2 ; U4.8 100.33,121.91 v1(100.33,121.92)
DATA10: length 257.9
  Top w0.25: v1(77.47,122.55) 78.11,123.19 160.65,123.19 v1(161.29,123.82) ; R27.2 v1(161.29,136.53)
  Bottom w0.25: U11.8 77.45,101.6 77.47,101.6 v1(77.47,122.55) ; v1(161.29,136.53) v1(161.29,123.82) 161.29,120.65 160.65,120.02 154.31,120.02 153.67,119.38 153.67,69.22 153.04,68.58 153.04,19.69 152.4,19.05 145.42,19.05 144.78,18.41 144.78,6.98 143.51,5.72 D11.2
DATA11: length 246.6
  Top w0.25: v1(158.75,124.46) 158.12,123.82 76.83,123.82 v1(76.2,123.19) ; R28.2 v1(158.75,136.53)
  Bottom w0.25: v1(158.75,136.53) v1(158.75,124.46) 158.75,121.28 158.12,120.65 153.67,120.65 153.04,120.02 153.04,69.85 152.4,69.22 152.4,20.32 151.76,19.69 140.33,19.69 139.7,19.05 139.7,6.98 138.44,5.72 D12.2 ; U3.8 76.2,123.19 v1(76.2,123.19)
DATA12: length 284.9
  Top w0.25: v1(53.34,123.82) 53.97,124.46 155.57,124.46 v1(156.21,125.09) ; R29.2 v1(156.21,136.53)
  Bottom w0.25: D13.2 133.99,5.72 134.62,6.35 134.62,19.69 135.25,20.32 151.13,20.32 151.76,20.95 151.76,69.85 152.4,70.48 152.4,120.65 153.04,121.28 155.57,121.28 156.21,121.92 v1(156.21,125.09) v1(156.21,136.53) ; v1(53.34,123.82) 53.34,101.6 53.33,101.6 U10.8
DATA13: length 273.6
  Top w0.25: R30.2 v1(153.67,136.53) ; v1(153.67,125.73) 153.04,125.09 52.7,125.09 v1(52.07,124.46)
  Bottom w0.25: v1(52.07,124.46) 52.06,124.45 U2.8 ; D14.2 128.91,5.72 129.54,6.35 129.54,20.32 130.18,20.95 150.5,20.95 151.13,21.59 151.13,70.48 151.76,71.12 151.76,121.28 152.4,121.92 153.04,121.92 153.67,122.55 v1(153.67,125.73) v1(153.67,136.53)
DATA14: length 310.3
  Top w0.25: v1(151.13,126.36) 150.5,125.73 29.84,125.73 v1(29.21,125.09) ; R31.2 v1(151.13,136.53)
  Bottom w0.25: v1(29.21,125.09) 29.21,101.61 U9.8 ; D15.2 123.83,5.72 124.46,6.35 124.46,9.53 125.1,10.16 128.27,10.16 128.9,10.79 128.9,20.95 129.54,21.59 149.86,21.59 150.5,22.22 150.5,71.12 151.13,71.75 v1(151.13,126.36) v1(151.13,136.53)
DATA15: length 302.1
  Top w0.25: v1(27.94,125.73) 28.58,126.36 147.95,126.36 v1(148.59,127) ; R32.2 v1(148.59,136.53)
  Bottom w0.25: U1.8 27.94,125.72 v1(27.94,125.73) ; v1(148.59,136.53) v1(148.59,127) 148.59,122.55 149.23,121.92 149.86,121.92 150.5,121.28 150.5,72.39 149.86,71.75 149.86,22.86 149.23,22.22 128.9,22.22 128.27,21.59 128.27,11.43 127.64,10.79 120.02,10.79 119.38,10.16 119.38,6.35 118.75,5.72 D16.2
Data_Correction: length 106.9
  Top w0.25: v1(123.19,120.65) 122.55,120.02 92.08,120.02 v1(91.44,119.38)
  Bottom w0.25: U44.2 87.62,82.55 90.17,85.09 ; 90.17,85.09 92.71,82.55 92.7,82.55 U44.4 ; 90.17,85.09 U44.12 91.43,88.9 91.44,88.9 v1(91.44,119.38) ; v1(123.19,120.65) 123.19,145.73 123.83,146.37 J1.33
Decoded_Reg_Addr0: length 120.6
  Top w0.25: 172.72,64.77 172.71,64.77 U23.8 ; v1(166.37,21.59) 165.74,20.95 128.27,20.95 v1(125.73,18.41)
  Bottom w0.25: U23.8 171.45,63.5 167,63.5 166.37,62.86 v1(166.37,21.59) ; D17.2 110.48,6.98 110.48,17.14 111.13,17.78 125.1,17.78 v1(125.73,18.41)
Decoded_Reg_Addr1: length 118.1
  Top w0.25: R2.1 165.1,64.77 U23.11 ; v1(158.75,22.22) 158.12,21.59 127,21.59 v1(124.46,19.05)
  Bottom w0.25: v1(124.46,19.05) 123.83,18.41 106.05,18.41 105.41,17.78 105.41,6.98 D18.2 ; U23.11 163.83,63.5 159.38,63.5 158.75,62.86 v1(158.75,22.22)
Decoded_Reg_Addr2: length 111.1
  Top w0.25: U22.8 148.58,64.77 R3.1
  Bottom w0.25: U22.8 148.58,62.86 148.59,62.86 147.95,63.5 145.42,63.5 144.78,62.86 144.78,60.96 144.14,60.33 140.33,60.33 139.7,60.96 139.7,62.86 139.06,63.5 128.9,63.5 128.27,62.86 128.27,24.13 123.19,19.05 100.96,19.05 100.33,18.41 100.33,6.98 D19.2
